# Altium PCB POETIC_Processor_V2a.PcbDoc (part 2 of 3)
Units mm, origin at the board's own origin, x right, y up, seen from the top; angles counter-clockwise.
Board outline 160 x 100 mm, 4 copper layers (Top Layer, VCC, GND, Bottom Layer), stack 1.64 mm thick; 369 components, 395 nets, 1427 pads, 370 vias.
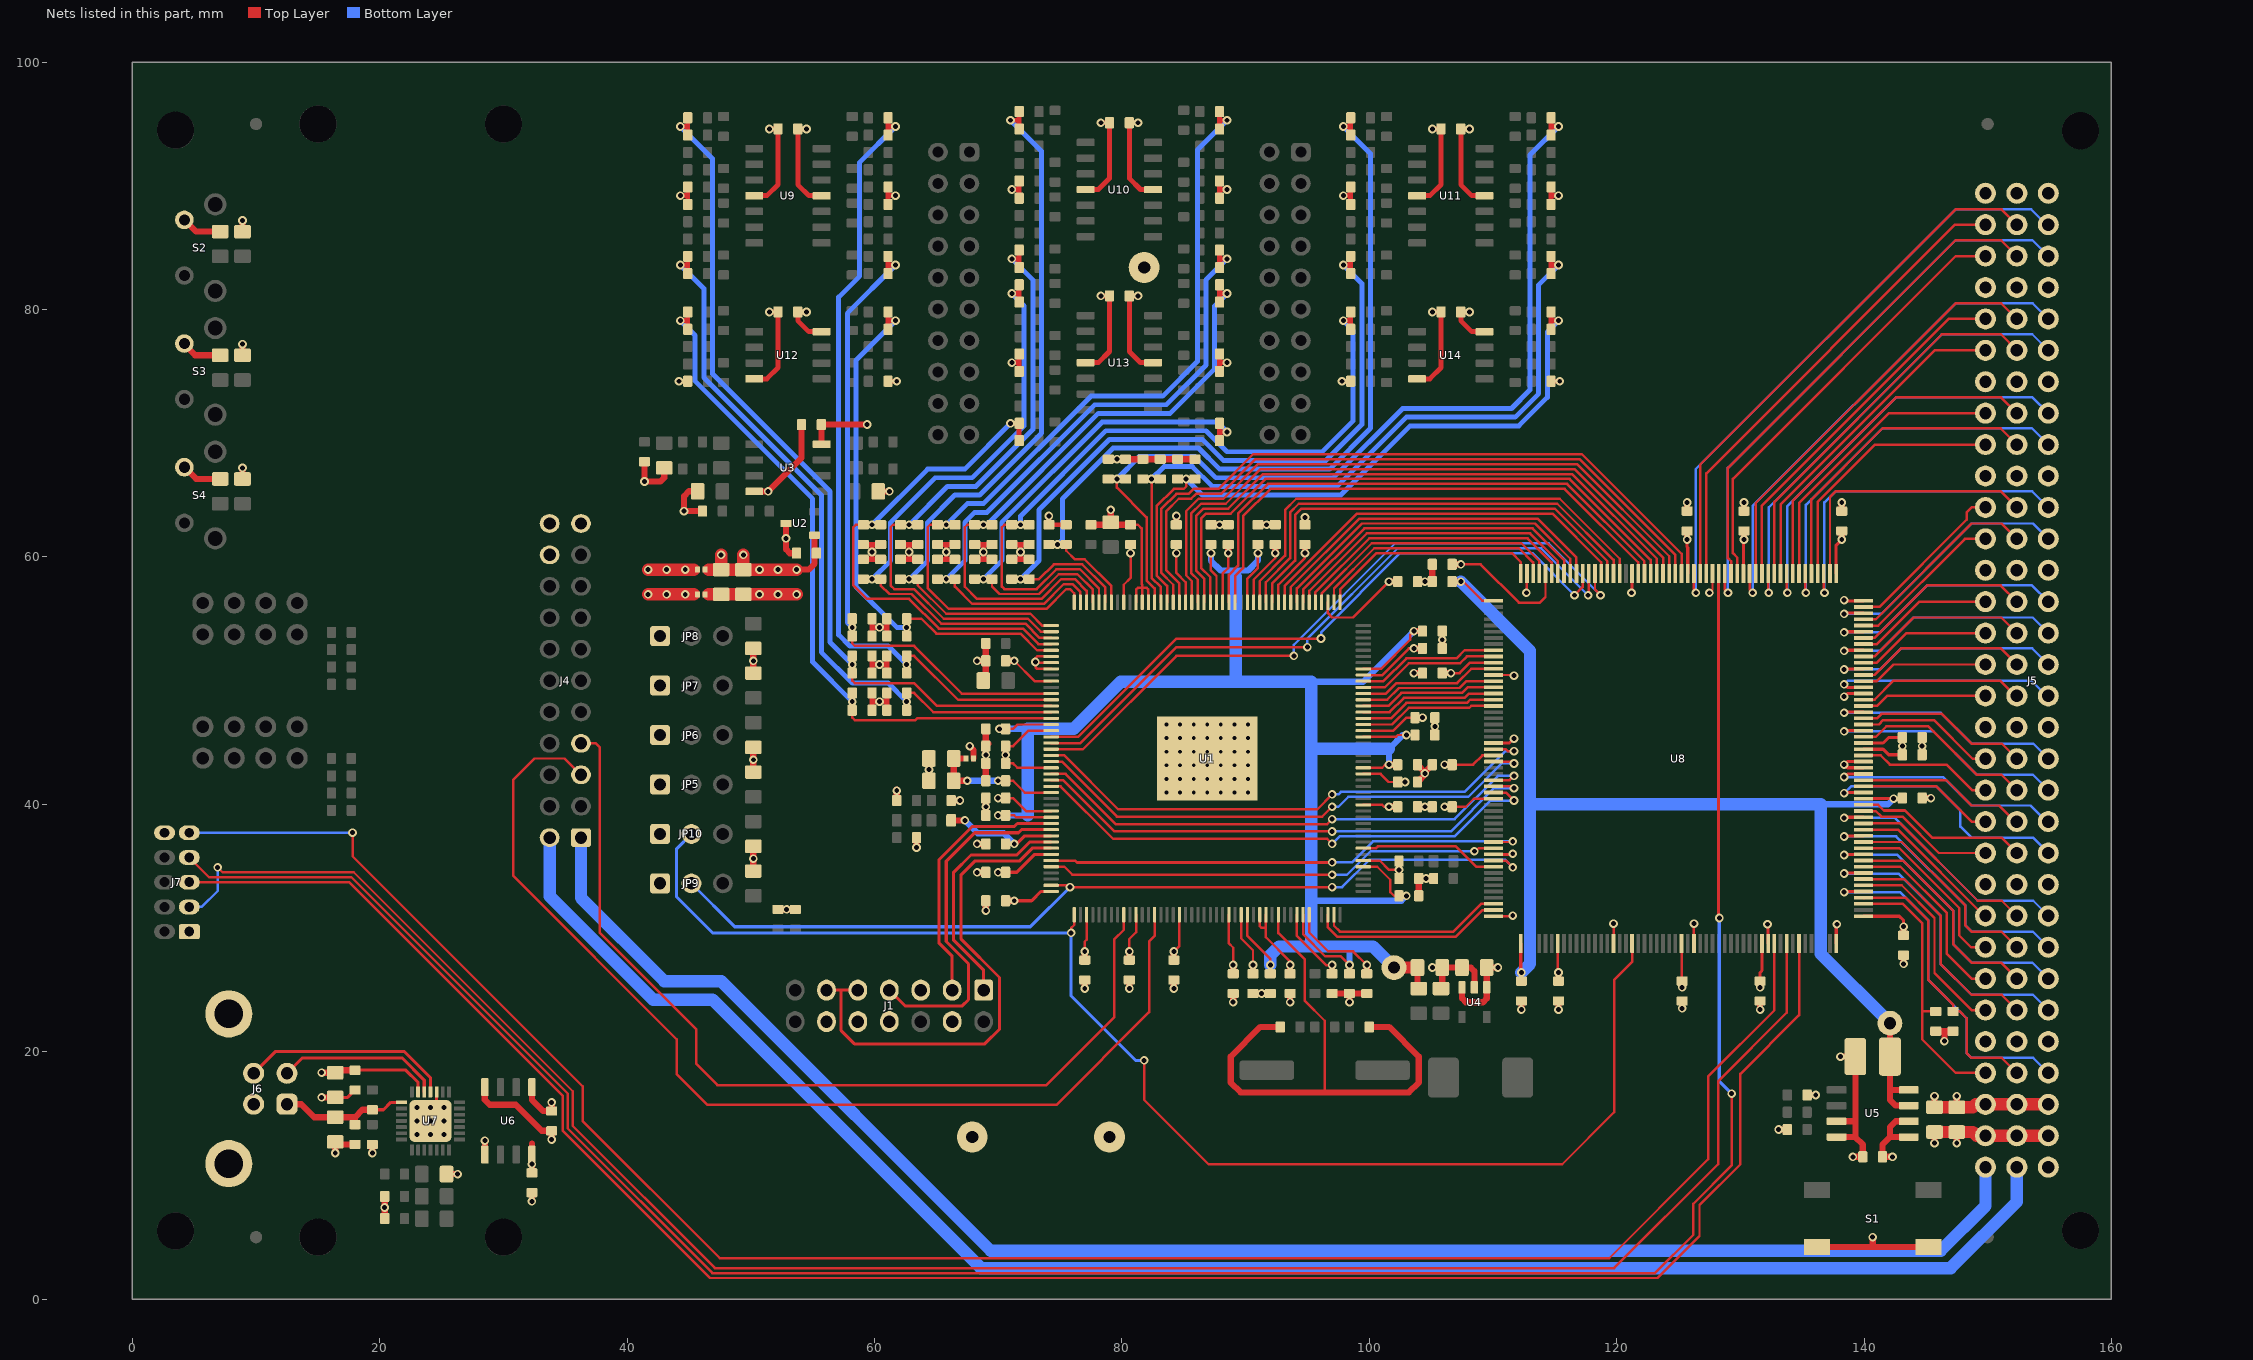
[diagram p4: the nets of this part, all layers, seen from the top]

## Via types
v1: diameter 0.7, hole 0.4, Top Layer to Bottom Layer, tented both sides, 328 vias
v2: diameter 0.7, hole 0.3, Top Layer to Bottom Layer, tented both sides, 42 vias

## Nets (pads, with @x,y where several pads share a name; then routed paths per layer and width w, separated by ;. In a path a pad name is that pad's centre, name@x,y a point inside that pad or via, vN(x,y) a via of type N, cw(c..) or ccw(c..) an arc to the next point about the centre after c; other vN are vias at no path point)
+1V2: C14.2 C15.2 C16.2 C17.2 C18.2 C32.2 C33.2 C34.2 C35.2 C36.2 C58.2 L2.2 TP6.1 U1.16 U1.21 U1.61 U1.76 U1.117 U1.126 U1.137 U1.153 U1.158 U1.169 | length 162.9
  Top Layer w0.2: C36.2@70.6,39.1 71.3,39.1 71.45,38.95 U1.76@74.275,38.95 ; C17.2@70.6,46.1 71.2,46.1 71.55,46.45 U1.61@74.275,46.45 ; v1(87.2,60.3) 87.2,58.9 87.65,58.45 U1.21@87.65,56.325 ; U1.117@90.15,31.075 90.15,29.35 92,27.5 v1(92,27) ; U1.16@90.15,56.325 90.15,58.25 91,59.1 v1(91,60.3) ; U1.126@94.65,31.075 94.65,29.496 96.446,27.7 97.7,27.7 v1(98.4,27) ; U1.137@99.525,34.95 100.65,34.95 101.7,33.9 101.7,32.9 102,32.6 C32.2@102.4,32.6 v1(103,32.6) ; U1.153@99.525,42.95 101.05,42.95 101.3,43.2 v1(101.6,43.2) ; U1.158@99.525,45.45 102.15,45.45 102.3,45.6 v1(103,45.6) ; U1.169@99.525,50.95 100.95,50.95 103.3,53.3 103.3,53.7 v1(103.6,54)
  Top Layer w0.5: v1(70,39.1) C36.2@70.6,39.1 ; v1(70.1,46.1) C17.2@70.6,46.1 ; C15.2@98.4,26.3 v1(98.4,27) ; v1(101.6,43.2) C34.2@102.3,43.2 ; v1(103.6,54) C33.2@104.3,54 ; C58.2@103.9,26.8 103.9,25.2 L2.2@104,25.1
  Top Layer w1: TP6.1@102,26.8 C58.2@103.9,26.8
  Bottom Layer w0.5: v1(70,39.1) 72.4,39.1 ; v1(70.1,46.1) 72.4,46.1 ; v1(87.2,60.3) 87.2,59.7 88,58.9 89.2,58.9 ; 89.2,58.4 89.2,58.9 ; v1(91,60.3) 91,59.7 90.2,58.9 89.2,58.9 ; 95.3,32.2 102.6,32.2 v1(103,32.6) ; 95.3,49.9 99.5,49.9 v1(103.6,54) ; v1(98.4,27) 98.4,28.5 ; v1(101.6,43.2) 101.6,44.5 102.7,45.6 v1(103,45.6)
  Bottom Layer w1: 72.4,39.1 72.4,46.1 76.1,46.1 79.9,49.9 89.2,49.9 ; 89.2,58.4 89.2,49.9 ; v1(92,27) 92,27.8 92.7,28.5 98.4,28.5 100.3,28.5 TP6.1@102,26.8 ; 95.3,28.9 95.3,32.2 95.3,44.5 ; 101.6,44.5 95.3,44.5 ; 89.2,49.9 95.3,49.9 95.3,44.5
+1V8_D: C60.1 C78.2 C86.2 C87.2 TP7.1 U5.7 U5.8 U8.1 U8.53 U8.124 | length 102.8
  Top Layer w0.2: v1(107.4,58) 107.6,58 109.15,56.45 U8.1@110.05,56.45
  Top Layer w0.25: v1@112.25,26.4 U8.53@112.25,28.75 ; U8.124@139.95,40.45 v1(142.4,40.45) 143.05,40.45 C78.2@143.1,40.5
  Top Layer w0.5: C86.2@106.7,58 v1(107.4,58) ; TP7.1@142.1,22.3 C60.1@142.1,19.6 142.1,16.905 ; U5.7@143.621,15.635 142.565,15.635 142.1,16.1 142.1,16.905 ; U5.8@143.621,16.905 142.1,16.905
  Bottom Layer w0.5: 136.5,40 141.95,40 v1(142.4,40.45)
  Bottom Layer w1: v1(107.4,58) 113,52.4 113,40 ; v1(112.3,26.4) 113,27.1 113,40 ; TP7.1@142.1,22.3 136.5,27.9 136.5,40 113,40
+3V3_A: C19.2 C37.2 C39.2 C50.1 C51.1 C59.2 C112.2 C113.2 C138.2 C139.2 C152.2 C166.2 NT5.2 U1.36 U1.54 U2.1 U3.8 U9.4 U10.4 U11.4 U12.8 U13.4 U14.8 | length 65.4
  Top Layer w0.2: v1(71.3,51.6) 72.95,49.95 U1.54@74.275,49.95 ; U1.36@80.15,56.325 80.15,57.75 80.7,58.3 v1(80.7,60.3) C19.2@80.7,61
  Top Layer w0.4: U9.4@50.275,89.2 51.3,89.2 52.2,90.1 C112.2@52.2,94.6 v1(51.5,94.6) ; v1(54.5,79.8) C139.2@53.8,79.8 53.8,79.1 54.695,78.205 U12.8@55.725,78.205 ; U10.4@77.073,89.7 78.1,89.7 79,90.6 C113.2@79,95.1 v1(78.3,95.1) ; U13.4@77.075,75.7 78.1,75.7 79,76.6 C138.2@79,81.1 v1(78.3,81.1) ; U11.4@103.875,89.2 104.9,89.2 105.8,90.1 C152.2@105.8,94.6 v1(105.1,94.6) ; v1(108.1,79.8) C166.2@107.4,79.8 107.4,79.1 108.295,78.205 U14.8@109.325,78.205
  Top Layer w0.5: v1(53.7,58.97) 54.665,58.97 55.15,59.455 U2.1@55.15,61.75 ; U3.8@55.725,69.105 55.725,70.7 v1(59.4,70.7) ; C37.2@70.6,51.6 v1(71.3,51.6)
  Top Layer w1: 46.6,58.97 C51.1@47.6,58.97 ; v1(47.6,60.17) C51.1@47.6,58.97 ; v1(49.4,60.16) C50.1@49.4,58.97 ; v1(53.7,58.97) v1(52.2,58.97) v1(50.7,58.97) C50.1@49.4,58.97 ; C51.1@47.6,58.97 C50.1@49.4,58.97
+3V3_D: C3.2 C4.2 C5.2 C6.2 C7.2 C8.2 C9.2 C10.2 C11.2 C12.2 C20.2 C21.2 C22.2 C23.2 C24.2 C25.2 C26.2 C27.2 C28.2 C29.2 C30.2 C31.2 C38.2 C42.1 C43.1 C56.2 C61.1 C63.2 C72.2 C73.2 C74.2 C75.2 C76.2 C77.2 C79.2 C80.2 C81.2 C82.2 C83.2 C84.2 C85.2 J1.5 J4.20 J5.A31 J5.A32 J5.B31 J5.C31 J7.1 NT3.1 NT5.1 R1.2 R2.2 R9.2 R10.2 R11.2 R15.2 R23.2 R30.2 R31.2 R32.2 R33.2 R34.2 R35.2 R36.2 R37.1 R38.1 U1.3 U1.11 U1.15 U1.20 U1.26 U1.62 U1.68 U1.75 U1.82 U1.88 U1.91 U1.99 U1.106 U1.114 U1.116 U1.119 U1.120 U1.125 U1.127 U1.138 U1.147 U1.152 U1.159 U1.168 U4.1 U4.3 U5.5 U5.6 U6.1 U8.11 U8.26 U8.33 U8.59 U8.79 U8.92 U8.105 U8.132 U8.133 U8.157 U8.172 U8.181 U8.204 | length 222.6
  Top Layer w0.2: C10.2@70.6,40.5 71.2,40.5 72.25,39.45 U1.75@74.275,39.45 ; C9.2@70.6,43.3 71.2,43.3 71.55,42.95 U1.68@74.275,42.95 ; C8.2@70.6,44.7 71.2,44.7 72.45,45.95 U1.62@74.275,45.95 ; C21.2@77,27.4 77,28.9 77.15,29.05 U1.91@77.15,31.075 ; C22.2@80.6,27.4 80.6,29.1 81.15,29.65 U1.99@81.15,31.075 ; v1(84.2,28.1) 84.65,28.55 U1.106@84.65,31.075 ; C7.2@84.4,61 v1(84.4,60.3) 84.4,58.7 85.15,57.95 U1.26@85.15,56.325 ; U1.20@88.15,56.325 88.15,58.65 88.6,59.1 v1(88.6,60.3) ; U1.114@88.65,31.075 88.65,28.75 89,28.4 v1(89,27) ; U1.116@89.65,31.075 89.65,29.15 90.6,28.2 v1(90.6,27) ; U1.15@90.65,56.325 90.65,58.15 92.4,59.9 v1(92.4,60.3) ; U1.119@91.15,31.075 91.15,30.15 91.3,30 91.65,30 ; U1.120@91.65,31.075 91.65,30 ; U1.11@92.65,56.325 92.65,57.75 94.8,59.9 v1(94.8,60.3) ; v1(93.6,27) 93.6,27.3 91.65,29.25 91.65,30 ; U1.125@94.15,31.075 94.15,29.359 96.509,27 96.8,27 v1@96.9,26.9 ; U1.127@95.15,31.075 95.15,29.632 96.682,28.1 98.7,28.1 v1(99.8,27) C26.2@99.8,26.3 ; U1.3@96.65,56.325 96.65,55.45 97,55.1 98.7,55.1 v1(101.6,58) ; U1.138@99.525,35.45 100.85,35.45 101.6,34.7 v1@102.3,34.7 ; U1.147@99.525,39.95 101.05,39.95 101.2,39.8 C28.2@102.3,39.8 ; U1.152@99.525,42.45 100.916,42.45 101.566,41.8 C29.2@102.3,41.8 v1(102.9,41.8) ; U1.159@99.525,45.95 101.95,45.95 103,47 v1(104.3,47) ; U1.168@99.525,50.45 99.55,50.425 101.025,50.425 103.2,52.6 v1(103.6,52.6) ; v1(106.1,39.8) C85.2@106.7,39.8 107.8,39.8 108.45,40.45 U8.33@110.05,40.45 ; v1(106.1,43.2) C73.2@106.7,43.2 108.4,43.2 109.15,43.95 U8.26@110.05,43.95 ; v1(106.6,50.6) 107.3,50.6 108.15,51.45 U8.11@110.05,51.45 ; v1(107.4,59.4) 109,59.4 112.1,56.3 113.8,56.3 114.25,56.75 U8.204@114.25,58.65 ; v1@115.25,26.15 U8.59@115.25,28.75 ; v1@125.25,25.2 U8.79@125.25,28.75
  Top Layer w0.25: v1(70,34.5) 71.5,34.5 72.95,35.95 U1.82@74.275,35.95 ; v1(71.3,32.2) 72.7,32.2 73.45,32.95 U1.88@74.275,32.95 ; v1(125.7,61.4) 125.7,60.8 125.75,60.75 U8.181@125.75,58.65 ; U8.172@130.25,58.65 v1@130.25,61.25 ; v1(131.6,25.2) 131.6,26.4 131.75,26.55 U8.92@131.75,28.75 ; U8.157@137.75,58.65 137.75,60.95 v1(138.2,61.4) ; U8.105@139.95,30.95 142.85,30.95 143.2,30.6 v1(143.2,30.1) ; U8.132@139.95,44.45 141.55,44.45 142,44 C84.2@143.1,44 ; U8.133@139.95,44.95 141.55,44.95 142,45.4 C82.2@143.1,45.4
  Top Layer w0.5: R32.2@8.9,66.3 v1(8.9,67.2) ; R31.2@8.9,76.3 v1(8.9,77.2) ; R30.2@8.9,86.3 v1(8.9,87.2) ; U6.1@32.305,17.125 32.305,16.095 33.2,15.2 C63.2@33.9,15.2 v1(33.9,15.9) ; R37.1@50.2,34.6 v1(50.2,35.6) R38.1@50.2,36.6 ; R33.2@50.2,42.6 v1(50.2,43.6) R34.2@50.2,44.6 ; R35.2@50.2,50.6 v1(50.2,51.6) R36.2@50.2,52.598 ; R10.2@52.2,31.5 R9.2@53.6,31.5 v1(52.9,31.5) ; v1(63.4,36.5) R2.2@63.4,37.3 ; v1(67.7,44.7) 68,44.4 NT3.1@68,43.7 ; v1(70,40.5) C10.2@70.6,40.5 ; C12.2@70.6,32.2 v1(71.3,32.2) ; C9.2@70.6,43.3 v1(70.6,44) C8.2@70.6,44.7 ; C21.2@77,27.4 v1(77,28.1) ; C22.2@80.6,27.4 v1(80.6,28.1) ; v1(88.6,60.3) C6.2@88.6,61 ; C24.2@89,26.3 v1(89,27) ; C25.2@90.6,26.3 v1(90.6,27) ; v1(92.4,60.3) C5.2@92.4,61 ; C20.2@93.6,26.3 v1(93.6,27) ; v1(94.8,60.3) C4.2@94.8,61 ; C38.2@97,26.3 v1(97,27) ; C26.2@99.8,26.3 v1(99.8,27) ; v1(101.6,39.8) C28.2@102.3,39.8 ; v1(101.6,58) C3.2@102.3,58 ; v1(103.6,52.6) C31.2@104.3,52.6 ; C72.2@105.9,50.6 v1(106.6,50.6) ; C83.2@106.7,59.4 v1(107.4,59.4) ; U4.3@107.5,25.2 107.5,24.3 107.8,24 109.2,24 109.5,24.3 U4.1@109.5,25.2 C56.2@109.5,26.8 v1(110.4,26.8) ; C74.2@115.3,25.7 v1(115.3,26.4) ; v1(125.7,61.4) C81.2@125.7,62.1 ; v1(130.3,61.4) C80.2@130.3,62.1 ; v1(133.1,13.7) R23.2@133.8,13.7 ; v1(138.2,61.4) C79.2@138.2,62.1 ; v1(142.3,11.5) C61.1@141.5,11.5 141.5,12.495 142.1,13.095 ; C77.2@143.2,29.4 v1(143.2,30.1) ; U5.5@143.621,13.095 142.1,13.095 ; U5.6@143.621,14.365 142.565,14.365 142.1,13.9 142.1,13.095 ; v1(145.7,12.6) C42.1@145.7,13.5 C43.1@147.5,13.5 v1(147.5,12.6) ; R15.2@145.8,21.65 146.5,21.65 ; v1(146.5,20.85) 146.5,21.65 ; R11.2@147.2,21.65 146.5,21.65
  Top Layer w0.54: C23.2@84.2,27.4 v1(84.2,28.1)
  Top Layer w1: v1(41.7,58.97) v1(43.2,58.97) v1(44.7,58.97) 45.4,58.97 ; C42.1@146,13.5 148.8,13.5 149.1,13.2 J5.C31@149.82,13.2 J5.B31@152.36,13.2 J5.A31@154.9,13.2
  other v1: 125.3,25.2 102.4,34.7 143.1,44.7
+3V3_F: C13.2 C47.1 C48.1 NT3.2 U1.72 | length 10.8
  Top Layer w0.2: C13.2@70.6,41.9 71.2,41.9 72.15,40.95 U1.72@74.275,40.95
  Top Layer w0.5: 67.1,43.7 C48.1@66.4,43.7 C47.1@66.4,41.9 v1(67.5,41.9) ; v1(70,41.9) C13.2@70.6,41.9
  Bottom Layer w0.5: v1(67.5,41.9) v1(70,41.9)
+3V3_USB: C64.2 C67.2 C68.2 R25.2 R26.2 R27.2 U6.8 U7.6 | length 14.8
  Top Layer w0.25: C68.2@18,18.5 22.1,18.5 23.1,17.5 U7.6@23.1,16.75
  Top Layer w0.5: v1(15.3,18.3) C67.2@16.4,18.3 16.6,18.5 C68.2@18,18.5 ; v1(19.4,11.8) R27.2@19.4,12.5 ; v1(20.4,7.4) R25.2@20.4,6.5 R26.2@20.4,8.3 ; C64.2@32.3,10.2 v1(32.3,10.9) ; v1@32.305,10.9 32.305,12.575
+5V_USB: C65.2 C66.2 J6.1 R28.1 U7.8 | length 10.7
  Top Layer w0.253: R28.1@19.4,15.3 20.3,15.3 20.9,15.9 U7.8@21.65,15.9
  Top Layer w0.5: J6.1@12.5,15.75 13.65,15.75 14.7,14.7 C65.2@16.4,14.7 18,14.7 ; C66.2@18,14.1 18,14.7 ; R28.1@19.4,15.3 18.6,15.3 18,14.7
+24V_BP: J4.1 J5.C32 | length 134.9
  Bottom Layer w1: J4.1@36.27,37.3 36.27,32.43 43,25.7 47.6,25.7 69.4,3.9 146.2,3.9 149.82,7.52 J5.C32@149.82,10.66
\S\P\I\A\_\S\T\E\: J4.5 U1.102 | length 86.4
  Top Layer w0.2: J4.5@36.27,42.38 34.95,43.7 32.5,43.7 30.8,42 30.8,34.2 44,21 44,18.2 46.5,15.7 74.7,15.7 82.2,23.2 82.2,28.9 82.65,29.35 U1.102@82.65,31.075
\S\P\I\C\_\S\T\E\: J4.7 U1.97 | length 75.9
  Top Layer w0.2: J4.7@36.27,44.92 37.48,44.92 37.8,44.6 37.8,29.6 45.6,21.8 45.6,19 47.3,17.3 73.9,17.3 79.4,22.8 79.4,29.1 80.15,29.85 U1.97@80.15,31.075
\S\P\I\C\_\S\T\E\_\+\: 
\S\P\I\C\_\S\T\E\_\-\: 
ADC_14: C117.2 R96.2 R100.2 R104.1 U1.44 | length 69.5
  Top Layer w0.2: R104.1@66.5,62.6 C117.2@65.1,62.6 64.5,62.6 64.3,62.4 64.3,57.5 66,55.8 73.9,55.8 75.5,57.4 75.8,57.4 76.15,57.05 U1.44@76.15,56.325
  Top Layer w0.4: R96.2@87.9,94.6 87.9,95.3 ; R100.2@87.9,96 87.9,95.3 ; v1(88.5,95.3) 87.9,95.3
  Bottom Layer w0.4: v1(65.8,62.6) 67.5,64.3 68.8,64.3 77.5,73 83.3,73 86.1,75.8 86.1,92.9 v1(88.5,95.3)
ADC_15: C102.2 R71.2 R75.2 R79.1 U1.45 | length 59.9
  Top Layer w0.2: C102.2@63.5,58.2 63.5,57.7 65.8,55.4 72.6,55.4 73.55,54.45 U1.45@74.275,54.45
  Top Layer w0.4: R79.1@62.1,58.2 C102.2@63.5,58.2 ; v1(71,95.3) 71.7,95.3 ; R71.2@71.7,94.6 71.7,95.3 ; R75.2@71.7,96 71.7,95.3
  Bottom Layer w0.4: v1(62.8,58.2) 64.3,59.7 64.3,62.8 66.5,65 68.5,65 73.5,70 73.5,92.8 v1(71,95.3)
ADC_A0: C123.2 R108.2 R112.2 R116.1 U1.43 | length 54.4
  Top Layer w0.2: C123.2@66.5,58.2 66.5,57.6 67.9,56.2 73.7,56.2 75.3,57.8 76,57.8 76.65,57.15 U1.43@76.65,56.325
  Top Layer w0.4: R112.2@87.9,83.4 87.9,84.1 ; R108.2@87.9,84.8 87.9,84.1 ; v1(88.5,84.1) 87.9,84.1
  Bottom Layer w0.4: v1(65.8,58.2) 67.3,59.7 67.3,62.8 68.1,63.6 69.1,63.6 77.8,72.3 83.6,72.3 86.8,75.5 86.8,82.4 v1(88.5,84.1)
ADC_A1: C141.2 R143.2 R145.2 R147.1 U1.42 | length 51.8
  Top Layer w0.2: C141.2@68.1,62.6 67.5,62.6 67.3,62.4 67.3,57.6 68.3,56.6 73.5,56.6 75.1,58.2 76.2,58.2 77.15,57.25 U1.42@77.15,56.325
  Top Layer w0.4: C141.2@68.1,62.6 R147.1@69.5,62.6 ; R143.2@87.9,80.6 87.9,81.3 ; R145.2@87.9,82 87.9,81.3 ; v1(88.5,81.3) 87.9,81.3
  Bottom Layer w0.4: v1(68.8,62.6) 69.1,62.6 78.1,71.6 83.9,71.6 87.5,75.2 87.5,80.3 v1(88.5,81.3)
ADC_A2: C144.2 R149.2 R151.2 R153.1 U1.41 | length 42.4
  Top Layer w0.2: C144.2@69.5,58.2 69.5,57.6 70.1,57 73.3,57 74.9,58.6 76.4,58.6 77.65,57.35 U1.41@77.65,56.325
  Top Layer w0.4: R153.1@68.1,58.2 v1(68.8,58.2) ; R151.2@87.9,69.4 87.9,70.1 ; R149.2@87.9,70.8 87.9,70.1 ; v1(88.5,70.1) 87.9,70.1 ; v1(68.8,58.2) C144.2@69.5,58.2 v1(68.8,58.2)
  Bottom Layer w0.4: v1(68.8,58.2) 70.3,59.7 70.3,62.8 78.4,70.9 87.7,70.9 v1(88.5,70.1)
ADC_A3: C147.2 R155.2 R157.2 R159.1 U1.40 | length 60.8
  Top Layer w0.2: R159.1@72.5,62.6 C147.2@71.1,62.6 70.5,62.6 70.3,62.4 70.3,57.6 70.5,57.4 73.1,57.4 74.7,59 76.6,59 78.15,57.45 U1.40@78.15,56.325
  Top Layer w0.4: C147.2@71.1,62.6 v1(71.8,62.6) ; v1(97.9,79.1) 98.5,79.1 ; R155.2@98.5,78.4 98.5,79.1 ; R157.2@98.5,79.8 98.5,79.1
  Bottom Layer w0.4: v1(71.8,62.6) 71.8,63.3 78.7,70.2 86.8,70.2 88.5,68.5 96.2,68.5 98.7,71 98.7,78.3 v1(97.9,79.1)
ADC_A4: C129.2 R120.2 R124.2 R128.1 U1.39 | length 62.8
  Top Layer w0.2: v1(71.8,58.2) 73.3,58.2 74.5,59.4 76.8,59.4 78.65,57.55 U1.39@78.65,56.325
  Top Layer w0.4: R128.1@71.1,58.2 C129.2@72.5,58.2 ; v1(97.9,83.6) 98.5,83.6 ; R124.2@98.5,82.9 98.5,83.6 ; R120.2@98.5,84.3 98.5,83.6
  Bottom Layer w0.4: v1(71.8,58.2) 73.3,59.7 73.3,63.8 79,69.5 86.5,69.5 88.2,67.8 96.5,67.8 99.4,70.7 99.4,82.1 v1(97.9,83.6)
ADC_A5: C134.2 R131.2 R135.2 R139.1 U1.38 | length 67.9
  Top Layer w0.2: C134.2@75.5,61 75.5,60.5 76.2,59.8 77,59.8 79.15,57.65 U1.38@79.15,56.325
  Top Layer w0.4: R139.1@74.1,61 v1(74.8,61) C134.2@75.5,61 ; v1(97.9,94.8) 98.5,94.8 ; R131.2@98.5,94.1 98.5,94.8 ; R135.2@98.5,95.5 98.5,94.8
  Bottom Layer w0.4: v1(74.8,61) 75.2,61.4 75.2,64.7 79.3,68.8 86.2,68.8 87.9,67.1 96.8,67.1 100.1,70.4 100.1,92.6 v1(97.9,94.8)
ADC_B0: C108.2 R83.2 R87.2 R91.1 U1.46 | length 51.2
  Top Layer w0.2: R91.1@63.5,62.6 v1(62.8,62.6) C108.2@62.1,62.6 61.5,62.6 61.3,62.4 61.3,57.7 61.6,57.4 63.2,57.4 65.6,55 72.4,55 73.45,53.95 U1.46@74.275,53.95
  Top Layer w0.4: v1(71.1,84.1) 71.7,84.1 ; R87.2@71.7,83.4 71.7,84.1 ; R83.2@71.7,84.8 71.7,84.1
  Bottom Layer w0.4: v1(62.8,62.6) 65.9,65.7 68.2,65.7 72.8,70.3 72.8,82.4 v1(71.1,84.1)
ADC_B1: C103.2 R72.2 R76.2 R80.1 U1.47 | length 49.8
  Top Layer w0.2: C103.2@60.5,58.2 60.5,57.7 61.2,57 63,57 65.4,54.6 72.2,54.6 73.35,53.45 U1.47@74.275,53.45
  Top Layer w0.4: R80.1@59.1,58.2 v1(59.8,58.2) C103.2@60.5,58.2 ; v1(71.1,81.3) 71.7,81.3 ; R72.2@71.7,80.6 71.7,81.3 ; R76.2@71.7,82 71.7,81.3
  Bottom Layer w0.4: v1(59.8,58.2) 61.3,59.7 61.3,62.8 64.9,66.4 67.9,66.4 72.1,70.6 72.1,80.3 v1(71.1,81.3)
ADC_B2: C109.2 R84.2 R88.2 R92.1 U1.48 | length 41.6
  Top Layer w0.2: R92.1@60.5,62.6 C109.2@59.1,62.6 58.5,62.6 58.3,62.4 58.3,57.7 59.4,56.6 62.8,56.6 65.2,54.2 72,54.2 73.25,52.95 U1.48@74.275,52.95
  Top Layer w0.4: v1(71,70.8) R84.2@71.7,70.8 R88.2@71.7,69.4
  Bottom Layer w0.4: v1(59.8,62.6) 64.3,67.1 67.3,67.1 v1(71,70.8)
ADC_B3: C116.2 R95.2 R99.2 R103.1 U1.49 | length 44.4
  Top Layer w0.2: C116.2@62.6,55 63.8,55 65,53.8 71.8,53.8 73.15,52.45 U1.49@74.275,52.45
  Top Layer w0.4: R95.2@61.1,78.4 61.1,79.1 ; R99.2@61.1,79.8 61.1,79.1 ; v1(61.7,79.1) 61.1,79.1 ; R103.1@62.6,53.6 C116.2@62.6,55
  Bottom Layer w0.4: v1(61.7,79.1) 58.5,75.9 58.5,57.6 61.8,54.3 v1(62.6,54.3)
ADC_C2: C128.2 R119.2 R123.2 R127.1 U1.31 | length 74
  Top Layer w0.2: v1(79.6,66.3) 79.6,65.6 82,63.2 82,58.1 82.65,57.45 U1.31@82.65,56.325
  Top Layer w0.4: R119.2@114.7,94.1 114.7,94.8 ; R123.2@114.7,95.5 114.7,94.8 ; v1(115.3,94.8) 114.7,94.8
  Top Layer w0.5: v1(79.6,66.3) C128.2@80.3,66.3
  Bottom Layer w0.4: v1(79.6,66.3) 81.4,68.1 85.9,68.1 87.6,66.4 97.1,66.4 102.7,72 111.5,72 113,73.5 113,92.5 v1(115.3,94.8)
ADC_C3: C135.2 R132.2 R136.2 R140.1 U1.30 | length 58.8
  Top Layer w0.2: v1(82.4,66.3) 82.4,65.7 82.4,58.3 83.15,57.55 U1.30@83.15,56.325
  Top Layer w0.4: R136.2@114.7,82.9 114.7,83.6 ; R132.2@114.7,84.3 114.7,83.6 ; v1(115.3,83.6) 114.7,83.6
  Bottom Layer w0.4: v1(82.4,66.3) 83.4,67.3 85.7,67.3 87.3,65.7 97.4,65.7 103,71.3 111.8,71.3 113.7,73.2 113.7,82 v1(115.3,83.6)
ADC_C4: C150.2 R161.2 R163.2 R165.1 U1.29 | length 54.9
  Top Layer w0.2: U1.29@83.65,56.325 83.65,57.65 82.8,58.5 82.8,64.1 84.2,65.5 85,65.5 85.2,65.7 v1(85.2,66.3) ; R165.1@84.5,66.3 v1(85.2,66.3) ; C150.2@85.9,66.3 v1(85.2,66.3)
  Top Layer w0.4: R161.2@114.7,78.4 114.7,79.1 ; R163.2@114.7,79.8 114.7,79.1 ; v1@115.3,79 v1(115.3,79.1) 114.7,79.1
  Bottom Layer w0.4: v1(85.2,66.3) 86.5,65 97.7,65 103.3,70.6 112.1,70.6 114.4,72.9 114.4,78.2 v1(115.3,79.1)
ADC_D0: C91.2 R48.2 R52.2 R56.1 U1.56 | length 53.5
  Top Layer w0.2: R56.1@58.2,55 v1(58.2,54.3) C91.2@58.2,53.6 58.2,53 58.4,52.8 63.2,52.8 67.05,48.95 U1.56@74.275,48.95
  Top Layer w0.4: R48.2@61.1,84.3 R52.2@61.1,82.9 61.1,83.6 v1(61.7,83.6)
  Bottom Layer w0.4: v1(58.2,54.3) 57.8,54.7 57.8,79.7 v1(61.7,83.6)
ADC_D1: C96.2 R59.2 R63.2 R67.1 U1.57 | length 66.7
  Top Layer w0.2: C96.2@62.6,52 63.2,52 66.75,48.45 U1.57@74.275,48.45
  Top Layer w0.4: R63.2@61.1,95.5 R59.2@61.1,94.1 61.1,94.8 v1(61.7,94.8) ; R67.1@62.6,50.6 C96.2@62.6,52
  Bottom Layer w0.4: v1(61.7,94.8) 58.8,91.9 58.8,82.7 57.1,81 57.1,53.7 58,52.8 61.1,52.8 v1(62.6,51.3)
ADC_D2: C90.2 R47.2 R51.2 R55.1 U1.58 | length 70.4
  Top Layer w0.2: R55.1@58.2,52 58.2,50 58.4,49.8 63.2,49.8 65.05,47.95 U1.58@74.275,47.95
  Top Layer w0.4: v1(44.3,94.8) 44.2,94.8 44.9,94.8 ; R47.2@44.9,94.1 44.9,94.8 ; R51.2@44.9,95.5 44.9,94.8
  Bottom Layer w0.4: v1(44.3,94.8) 46.9,92.2 46.9,74.8 56.4,65.3 56.4,53.1 v1(58.2,51.3)
ADC_D3: C97.2 R60.2 R64.2 R68.1 U1.59 | length 60.3
  Top Layer w0.2: C97.2@62.6,49 63.2,49 64.75,47.45 U1.59@74.275,47.45 U1.59@74.275,47.425
  Top Layer w0.4: v1(44.3,83.6) 44.9,83.6 ; R64.2@44.9,82.9 44.9,83.6 ; R60.2@44.9,84.3 44.9,83.6 ; R68.1@62.6,47.6 C97.2@62.6,49
  Bottom Layer w0.4: v1(44.3,83.6) 46.2,81.7 46.2,74.5 55.7,65 55.7,52.3 58.2,49.8 61.1,49.8 v1(62.6,48.3)
ADC_D4: C122.2 R107.2 R111.2 R115.1 U1.60 | length 56.8
  Top Layer w0.2: R115.1@58.2,49 C122.2@58.2,47.6 58.2,47 58.4,46.8 63.3,46.8 63.45,46.95 U1.60@74.275,46.95
  Top Layer w0.4: v1(44.3,79.1) 44.9,79.1 ; R107.2@44.9,78.4 44.9,79.1 ; R111.2@44.9,79.8 44.9,79.1
  Bottom Layer w0.4: v1(44.3,79.1) 45.5,77.9 45.5,74.2 55,64.7 55,51.5 v1(58.2,48.3)
BN_EN: J5.A29 U8.109 | length 28.6
  Top Layer w0.25: v1(138.4,32.9) 138.45,32.95 U8.109@139.95,32.95
  Bottom Layer w0.2: v1(138.4,32.9) 142.9,32.9 145.2,30.6 145.2,25.8 148.3,22.7 148.3,19.9 148.7,19.5 153.68,19.5 J5.A29@154.9,18.28
BN_ERROR_R: J5.C29 R15.1 U8.107 | length 22.1
  Top Layer w0.2: U8.107@139.95,31.95 143.15,31.95 144.7,30.4 144.7,23.25 ; R15.1@145.8,23.25 144.7,23.25 ; J5.C29@149.82,18.28 147.42,18.28 144.7,21 144.7,23.25
BN_ERROR_W: J5.B29 R11.1 U8.108 | length 23.1
  Top Layer w0.2: U8.108@140,32.4 U8.108@139.95,32.45 143.35,32.45 145.2,30.6 145.2,25.8 147.2,23.8 R11.1@147.2,23.25 147.75,23.25 148.3,22.7 148.3,19.9 148.7,19.5 151.14,19.5 J5.B29@152.36,18.28
BN_MASTER_RST: J5.C27 U8.110 | length 16.7
  Top Layer w0.2: U8.110@139.95,33.45 143.05,33.45 145.7,30.8 145.7,26.36 148.7,23.36 J5.C27@149.82,23.36
BP_GPIO_0: J5.A14 U8.151 | length 20.2
  Top Layer w0.25: v1(138.4,53.9) 138.45,53.95 U8.151@139.95,53.95
  Bottom Layer w0.2: v1(138.4,53.9) 141.3,53.9 145.1,57.7 153.58,57.7 J5.A14@154.9,56.38
BP_GPIO_1: J5.A15 U8.148 | length 19.7
  Top Layer w0.25: v1(138.4,52.4) 138.45,52.45 U8.148@139.95,52.45
  Bottom Layer w0.2: v1(138.4,52.4) 141.3,52.4 144,55.1 153.64,55.1 J5.A15@154.9,53.84
BP_GPIO_2: J5.A16 U8.145 | length 19.3
  Top Layer w0.25: v1(138.4,50.9) 138.45,50.95 U8.145@139.95,50.95
  Bottom Layer w0.2: v1(138.4,50.9) 141.3,50.9 143,52.6 153.6,52.6 J5.A16@154.9,51.3
BP_GPIO_3: J5.A17 U8.142 | length 18.8
  Top Layer w0.25: v1(138.4,49.7) 138.65,49.45 U8.142@139.95,49.45
  Bottom Layer w0.2: v1(138.4,49.7) 138.7,50 153.52,50 J5.A17@154.9,48.62
BP_GPIO_4: J5.A19 U8.138 | length 19.6
  Top Layer w0.25: v1(138.4,47.4) 138.45,47.45 U8.138@139.95,47.45
  Bottom Layer w0.2: v1(138.4,47.4) 146.2,47.4 148.7,44.9 153.68,44.9 J5.A19@154.9,43.68
BP_GPIO_5: J5.A20 U8.135 | length 20
  Top Layer w0.25: v1(138.4,45.9) 138.45,45.95 U8.135@139.95,45.95
  Bottom Layer w0.2: v1(138.4,45.9) 145.6,45.9 149.1,42.4 153.64,42.4 J5.A20@154.9,41.14
BP_GPIO_6: J5.A21 U8.128 | length 19.7
  Top Layer w0.25: v1(138.4,42.2) 138.65,42.45 U8.128@139.95,42.45
  Bottom Layer w0.2: v1(138.4,42.2) 146.4,42.2 148.7,39.9 153.46,39.9 J5.A21@154.9,38.46
BP_GPIO_7: J5.A22 U8.125 | length 21.3
  Top Layer w0.25: v1(138.4,40.9) 138.45,40.95 U8.125@139.95,40.95
  Bottom Layer w0.2: v1(138.4,40.9) 138.95,41.45 145.85,41.45 147.8,39.5 147.8,38.2 148.7,37.3 153.66,37.3 J5.A22@154.9,36.06
BP_GPIO_8: J5.A24 U8.121 | length 21.4
  Top Layer w0.25: v1(138.4,38.9) 138.45,38.95 U8.121@139.95,38.95
  Bottom Layer w0.2: v1(138.4,38.9) 142.5,38.9 149.2,32.2 153.68,32.2 J5.A24@154.9,30.98
BP_GPIO_9: J5.A25 U8.118 | length 22.7
  Top Layer w0.25: v1(138.4,37.4) 138.45,37.45 U8.118@139.95,37.45
  Bottom Layer w0.2: v1(138.4,37.4) 142.6,37.4 148.2,31.8 148.2,30.2 148.7,29.7 153.64,29.7 J5.A25@154.9,28.44
BP_GPIO_10: J5.A26 U8.115 | length 23.8
  Top Layer w0.25: v1(138.4,35.9) 138.45,35.95 U8.115@139.95,35.95
  Bottom Layer w0.2: v1(138.4,35.9) 142.7,35.9 147.2,31.4 147.2,28.7 148.7,27.2 153.6,27.2 J5.A26@154.9,25.9